# Altium PCB AI Gateway - Carrier.PcbDoc (part 2 of 3) (continued)
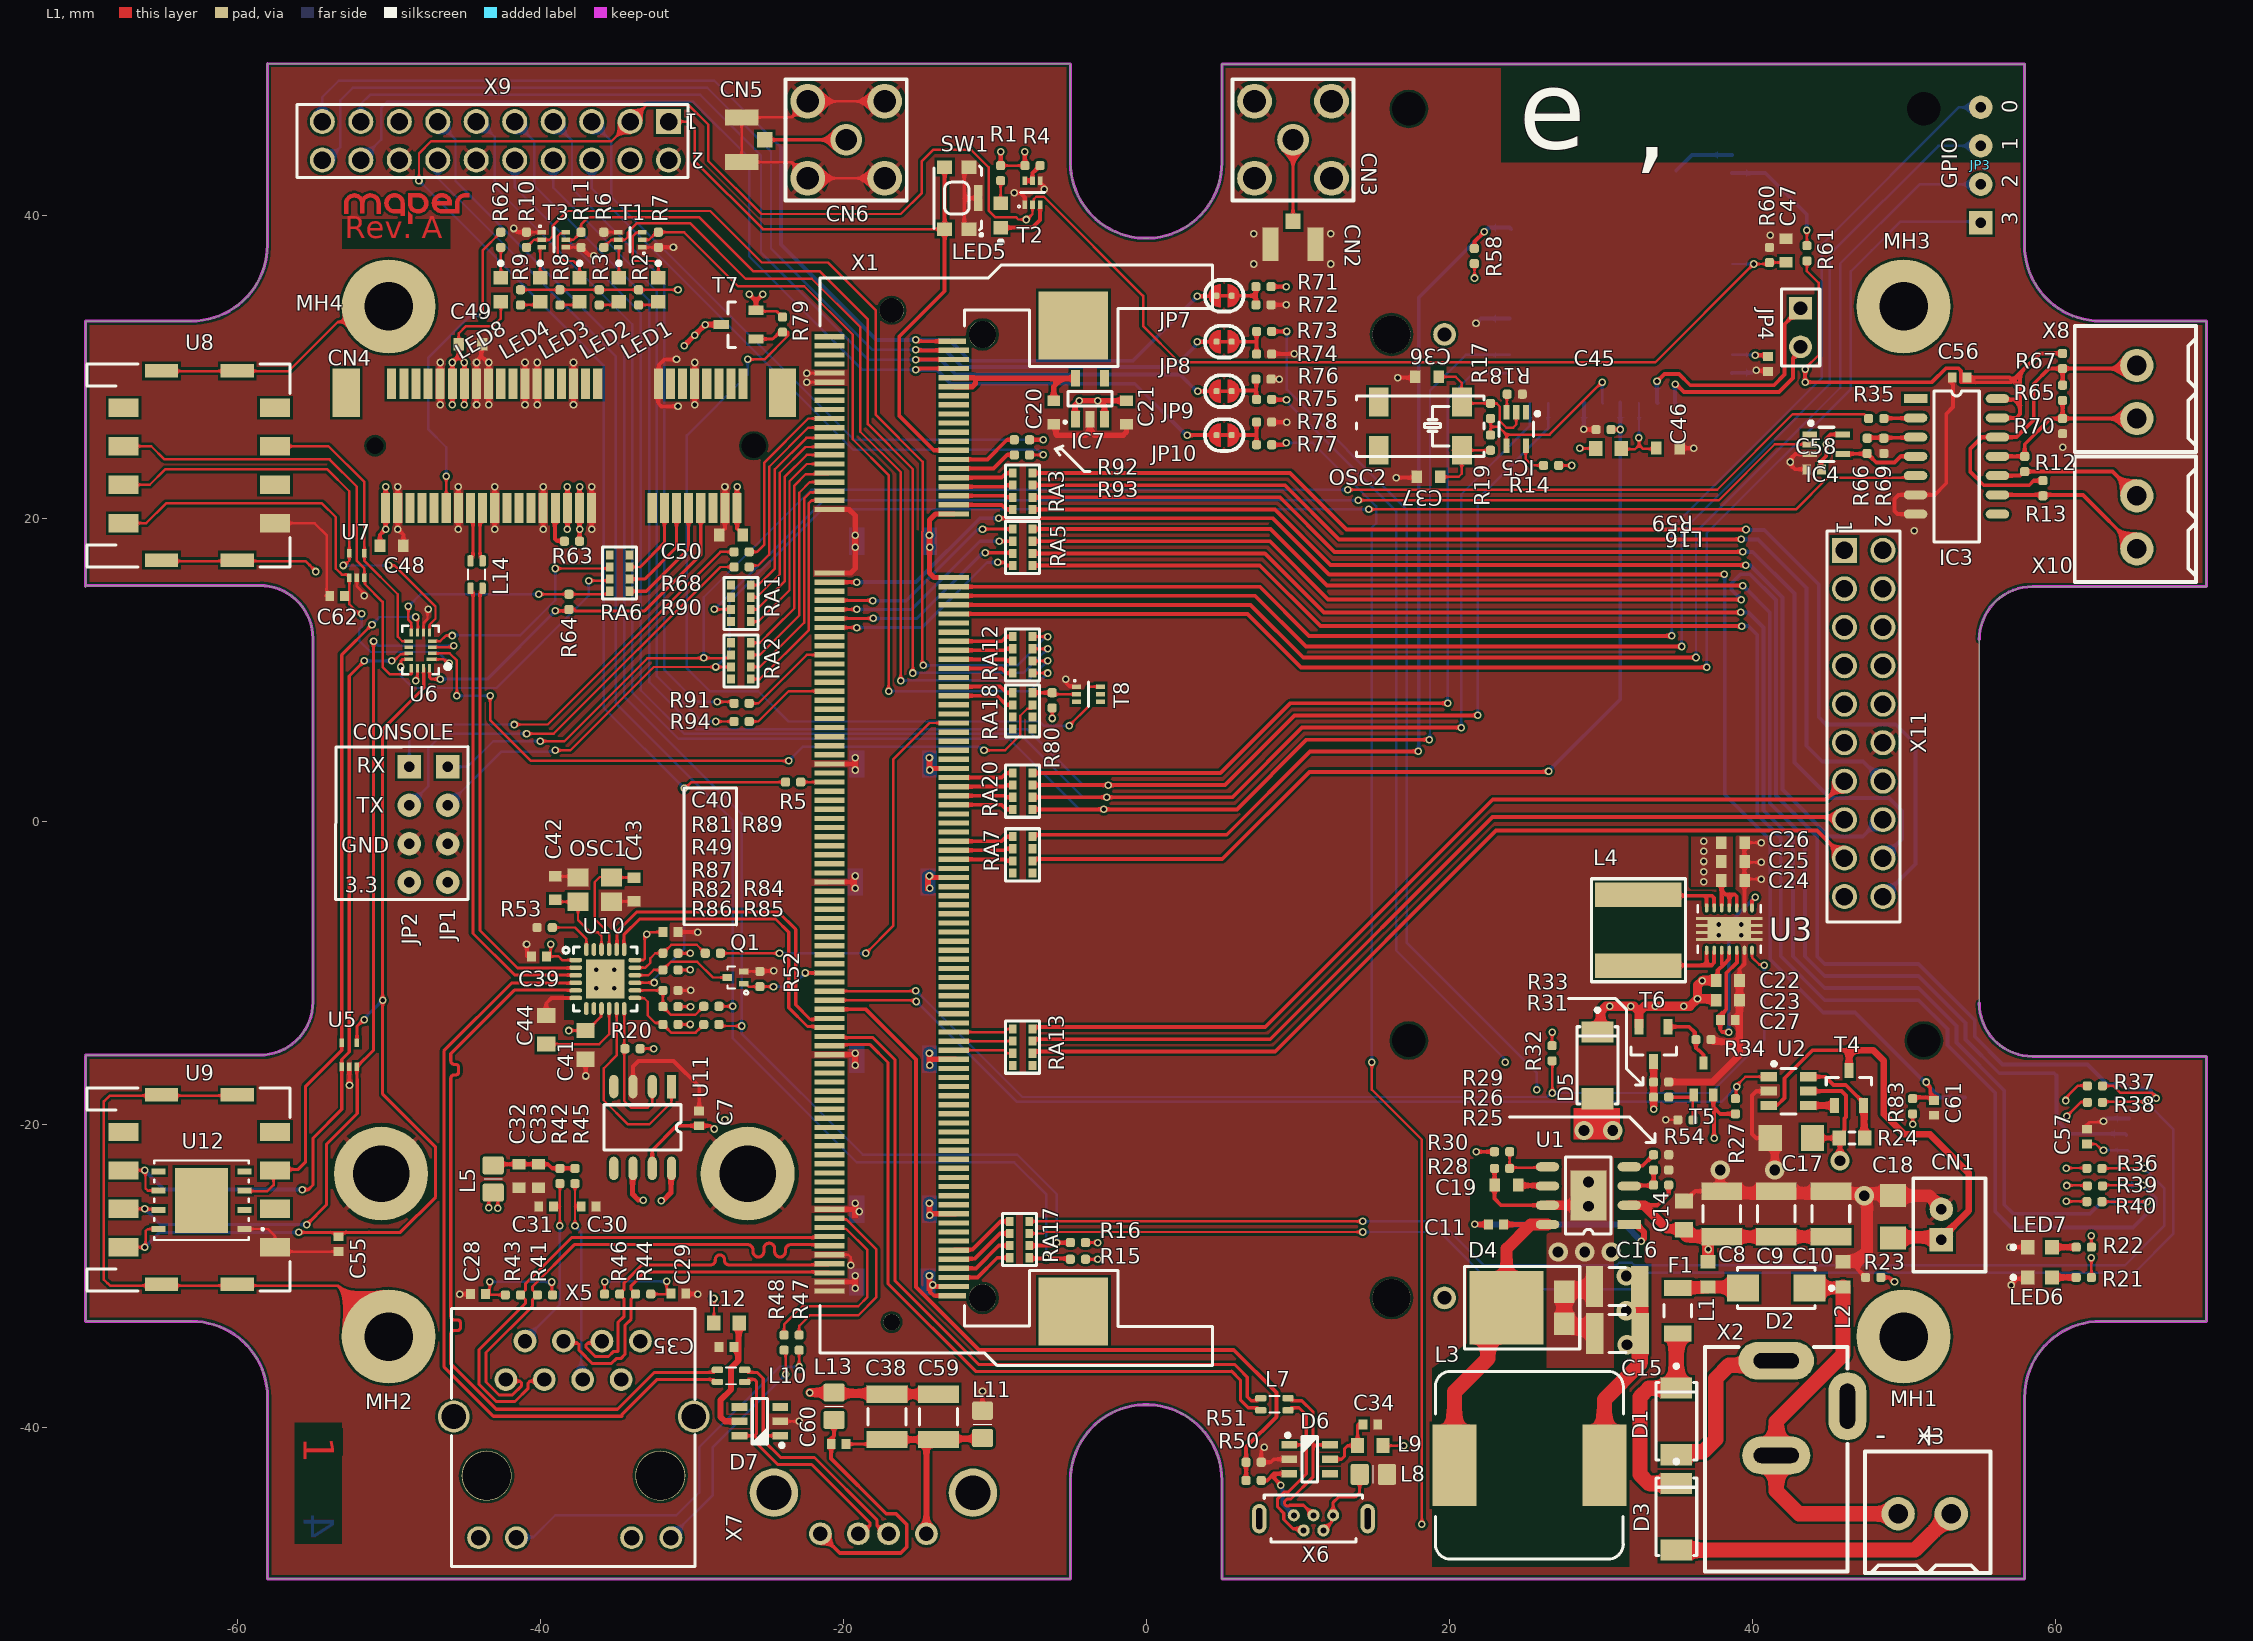
[diagram p0: L1 view]
## Nets (pads, with @x,y where several pads share a name; then routed paths per layer and width w, separated by ;. In a path a pad name is that pad's centre, name@x,y a point inside that pad or via, vN(x,y) a via of type N, cw(c..) or ccw(c..) an arc to the next point about the centre after c; other vN are vias at no path point) (continued)
  L1 w0.254: U1.3@31.9,-24.065 31.932,-24.032 33.468,-24.032 R25.1@33.5,-24 R26.2@33.5,-23
5V_ESD_1: C34.2 D6.5 L9.2 | length 3.9
  L1 w0.206: D6.5@12.15,-42.1 12.9,-42.1 13.1,-41.9 13.1,-41.4 13.3,-41.2 L9.2@13.96,-41.2 13.96,-39.865 C34.2@14.025,-39.8
5V_ESD_2: C35.2 D7.5 L12.2 | length 8.1
  L1 w0.4: L12.2@-26.86,-33.1 -26.892,-33.132 -26.892,-34.667 -26.925,-34.7 -26.925,-35.592 -27.4,-36.067 -27.4,-37.5 -28.1,-38.2 -28.1,-39.3 -27.8,-39.6 D7.5@-26.85,-39.6
ANALOG_IN0: JP10.1 X1.8 X9.18 | length 74.7
  L1 w0.254: v1(-15.2,29.81) -15.11,29.9 X1.8@-12.7,29.9 ; v1(2.707,25.505) JP10.1@4.65,25.505
  L4 w0.16: X9.18@-51.84,43.66 -50.5,45 -50.5,47.1 -50.1,47.5 -42.6,47.5 -29.9,47.5 -26.2,43.8 -26.2,37.3 -18.71,29.81 v1(-15.2,29.81)
  L4 w0.254: v1(-15.2,29.81) -13.81,29.81 -12.9,28.9 -0.75,28.9 v1@2.659,25.491
ANALOG_IN1: JP9.1 X1.6 X9.17 | length 72.4
  L1 w0.254: v1(-15.2,30.47) -15.17,30.5 X1.6@-12.7,30.5 ; v1(3.407,28.405) JP9.1@4.65,28.405 JP9.1@4.577,28.478
  L4 w0.16: X9.17@-51.84,46.2 -51.84,47.36 -51.233,47.967 -29.433,47.967 -25.42,43.953 -25.42,37.553 -18.337,30.47 v1(-15.2,30.47)
  L4 w0.254: v1(-15.2,30.47) -13.537,30.47 -12.567,29.5 2.25,29.5 3.345,28.405 v1(3.407,28.405)
ANALOG_IN2: JP8.1 X1.4 X9.20 | length 77.3
  L1 w0.254: v1(-15.2,31.13) -15.17,31.1 X1.4@-12.7,31.1 ; v1@3.575,31.673 JP8.1@4.65,31.673
  L4 w0.16: X9.20@-54.38,43.66 -54.04,43.66 -53.2,44.5 -53.2,47.6 -52.367,48.433 -28.967,48.433 -24.76,44.227 -24.76,37.827 -18.063,31.13 v1(-15.2,31.13)
  L4 w0.254: v1(-15.2,31.13) -13.263,31.13 -12.133,30 1.85,30 3.257,31.407 3.257,31.488 3.375,31.606 v1(3.375,31.673)
ANALOG_IN3: JP7.1 X1.2 X9.19 | length 76.8
  L1 w0.254: v1(-15.2,31.79) -15.11,31.7 X1.2@-12.7,31.7 ; v1(3.375,34.673) 4.618,34.673 JP7.1@4.65,34.705
  L4 w0.16: X9.19@-54.38,46.2 -54.395,46.215 -54.395,47.805 -53.3,48.9 -28.5,48.9 -24.1,44.5
  L4 w0.254: -24.1,44.5 -24.1,38.1 -17.79,31.79 v1(-15.2,31.79) -12.99,31.79 -11.614,30.414 -0.86,30.414 3.375,34.649 v1(3.375,34.673)
BAT_CHRGn: R27.1 U2.1 X1.135 | length 66.5
  L1 w0.16: X1.135@-20.9,-11.8 -15.23,-11.8 v1@-15.179,-11.851 ; R27.1@38.9,-18.2 R27.1@38.9,-18.3 38.95,-18.25 38.95,-17.55 v1(39,-17.5) 39,-17.408 39.558,-16.85 U2.1@41.1,-16.85
  L1 w0.35: v1(-15.179,-11.884) v1@-15.179,-11.851
  L4 w0.16: v1(-15.179,-11.884) -15.146,-11.884 -8.52,-18.51 37.99,-18.51 v1(39,-17.5)
BOOT: C11.1 U1.1 | length 14.2
  L1 w0.35: v1(21.7,-26.6) C11.1@22.61,-26.6
  L1 w0.4: U1.1@31.9,-26.605 32.375,-26.605 32.875,-27.105 32.875,-27.525 v1(32.7,-27.7)
  L4 w0.4: v1(21.7,-26.6) 31.6,-26.6 v1(32.7,-27.7)
BT_CTS: U4.10
BT_RTS: U4.11
BT_RX: U4.8
BT_TX: U4.9
CFG_SEL: R82.1 R84.1 R87.2 U10.14 | length 6.1
  L1 w0.16: U10.14@-33.75,-11.15 R87.2@-31.9,-11.15 R82.1@-31.9,-12.225 -31.36,-12.765 -29.765,-12.765 R84.1@-29.2,-12.2
CHASSIS_GND: MH1.1 MH2.1 MH3.1 MH4.1 R23.1 U8.G1 U8.G2 U8.G3 U8.G4 U9.G1 U9.G2 U9.G3 U9.G4 X5.8 X5.S1 X5.S2 X6.S1 X6.S2 X7.S1 X7.S2 | length 438.5
  L1 w0.16: -68.58,-30.47 -68.8,-30.25 -68.8,-18.48 -68.58,-18.26 ; -68.56,-30.47 -68.39,-30.64 -53.36,-30.64 MH2.1@-50,-34 ; -68.56,-18.26 -68.4,-18.1 U9.G3@-59.8,-18.1 ; U8.G1@-65.4,17.19 -55.49,17.19 -55,16.7 ; U8.G4@-65,29.73 -56.595,29.73 -53.34,32.985 -51.015,32.985 MH4.1@-50,34
  L1 w0.254: -55,16.7 v1(-54.8,16.5) ; R23.1@48.5,-30.1 49.042,-30.1 49.338,-30.396 v1(49.404,-30.396)
  L1 w0.5: MH1.1@50,-34.82 MH1.1@50,-34
  L3/PWR w0.254: v1(49.404,-30.396) 49.747,-30.738 49.747,-33.747 MH1.1@50,-34
  L3/PWR w1.4: MH2.1@-50.2,-34.923 -50.2,-48.08 -49.38,-48.9 -25.66,-48.9 -24.57,-47.81 ; MH4.1@-50,34 -51.18,34 -55.2,29.98 -55.2,16.9 -53.8,15.5 -53.8,-29.628 -50,-33.428 -50,-34.923 -45.71,-39.213 X5.S2@-45.71,-39.24 ; X5.8@-33.38,-34.3 -29.999,-37.681 -29.999,-39.146 X5.S1@-29.865,-39.28 -28.1,-41.045 ; -28.071,-41.016 -24.778,-44.31 X7.S1@-24.57,-44.31 -24.57,-47.81 ; X6.S2@14.625,-46.547 14.625,-47.075 13.3,-48.4 8.9,-48.4 7.475,-46.975 X6.S1@7.475,-46.02 7.25,-45.795 7.25,-45.745 6.307,-44.802 6.307,-39.407 3.7,-36.8 -3.3,-36.8 -9.91,-43.41 -10.043,-43.41 -10.943,-44.31 X7.S2@-11.43,-44.31 -11.43,-48.08 -12.25,-48.9 -23.48,-48.9 -24.57,-47.81 ; X6.S2@14.625,-46.02 16.905,-48.3 54.8,-48.3 56.2,-46.9 56.2,-40.2 MH1.1@50,-34 51.299,-34 53.589,-31.71 65.49,-31.71 68.6,-28.6 68.6,-18.6 67.15,-17.15 56.35,-17.15 53.6,-14.4 53.6,14.6 56.15,17.15 60.25,17.15 62.7,19.6 62.7,29 58.327,33.373 50.627,33.373 MH3.1@50,34
ETH_AVCC: C32.2 C33.2 L5.1 R42.2 R45.2 | length 5.5
  L1 w0.254: L5.1@-43.1,-22.7 -43.025,-22.625 C32.2@-41.4,-22.625 C33.2@-40.1,-22.625 -39.475,-22.625 -39.2,-22.9 R45.2@-37.7,-22.9
ETH_CT_RX: C30.2 R45.1 X5.5 | length 13.7
  L1 w0.16: v1(-37.7,-26.7) -37.7,-25.4 ; R45.1@-37.7,-23.9 R45.1@-37.7,-24 ; R45.1@-37.6,-23.9 R45.1@-37.7,-24 ; C30.2@-37.29,-25.4 -37.7,-25.4 ; -37.7,-25.4 R45.1@-37.7,-24
  L4 w0.16: v1(-37.7,-26.7) -37.3,-27.1 X5.5@-37.3,-36.835
ETH_CT_TX: C31.2 R42.1 X5.2 | length 12
  L1 w0.16: C31.2@-39.11,-25.4 -38.7,-25.4 ; R42.1@-38.8,-23.9 R42.1@-38.7,-24 ; v1(-38.7,-26.7) -38.7,-25.4 ; R42.1@-38.7,-23.9 R42.1@-38.7,-24 ; -38.7,-25.4 R42.1@-38.7,-24
  L4 w0.16: X5.2@-41.135,-34.32 -38.7,-31.885 v1(-38.7,-26.7)
ETH_LED_LINK: R47.1 X5.10 | length 26.2
  L1 w0.16: v1(-22.9,-36) R47.1@-22.9,-34.9
  L4 w0.16: X5.10@-41.575,-47.24 -40.44,-47.24 -39,-45.8 -31,-45.8 -29.5,-44.3 -29.5,-41.3 -24.2,-36 v1(-22.9,-36)
ETH_LED_SPEED: R48.1 X5.12 | length 15.5
  L1 w0.16: R48.1@-23.9,-34.9 -23.8,-35 v1(-23.8,-36.5)
  L4 w0.16: X5.12@-31.375,-47.24 -28.6,-44.465 -28.6,-41.3 v1(-23.8,-36.5)
ETH_LINK_ACT: R47.2 X1.183 | length 13.6
  L1 w0.16: R47.2@-22.9,-33.9 -22.9,-33.3 -22.2,-32.6 -19,-32.6 -17.8,-31.4 -17.8,-28.244 -19.775,-26.269 -20.831,-26.269 X1.183@-20.9,-26.2
ETH_RXI_N: R46.1 X1.193 X5.6 | length 23.6
  L1 w0.206: X5.6@-36.096,-34.426 -36.85,-34.426 -36.97,-34.546 -36.97,-34.717 -36.368,-35.319 -35.492,-35.319 -35.173,-35 -34.87,-35 -34.87,-33.078 -34.455,-32.662 -34.455,-31.518 -34.75,-31.222 R46.1@-34.75,-31.2 -34.75,-31.178 -34.455,-30.882 -34.455,-30.447 -33.278,-29.27 -28.847,-29.27 -28.744,-29.27 ccw(c-28.744,-28.967) -28.441,-28.967 -28.441,-28.918 cw(c-28.138,-28.918) -28.138,-28.615 cw(c-28.138,-28.918) -27.835,-28.918 -27.835,-28.967 ccw(c-27.532,-28.967) -27.532,-29.27 -26.719,-29.27 -23.7,-29.27 -20.97,-29.27 X1.193@-20.9,-29.2 ; X5.6@-35.961,-34.406 X5.6@-35.795,-34.24
ETH_RXI_P: R44.2 X1.195 X5.4 | length 23.6
  L1 w0.206: X5.4@-38.47,-34.26 -38.304,-34.426 -37.55,-34.426 -37.43,-34.546 -37.43,-34.907 -36.559,-35.778 -35.301,-35.778 -34.983,-35.46 -34.68,-35.46 -34.411,-35.19 -34.411,-33.268 -33.995,-32.853 -33.995,-31.518 -33.7,-31.222 R44.2@-33.7,-31.2 -33.7,-31.178 -33.995,-30.882 -33.995,-30.637 -33.088,-29.73 -23.89,-29.73 -20.97,-29.73 X1.195@-20.9,-29.8
ETH_SPEED: R48.2 X1.185 | length 13.2
  L1 w0.16: R48.2@-23.9,-33.9 -23.9,-33.2 -22.7,-32 -19,-32 -18.4,-31.4 -18.4,-28.293 -19.793,-26.9 -19.886,-26.9 -19.891,-26.895 -20.805,-26.895 X1.185@-20.9,-26.8
ETH_TX0_N: R43.1 X1.187 X5.3 | length 35.1
  L1 w0.206: R43.1@-41.3,-31.25 R43.1@-41.285,-31.25 ; X5.3@-39.889,-36.949 -40.676,-36.949 -40.797,-37.07 -40.797,-37.417 -41.665,-38.285 -42.898,-38.285 -44.035,-37.148 -44.035,-34.868 -40.967,-31.801 -40.967,-31.568 R43.1@-41.285,-31.25 ; X5.3@-39.754,-36.929 X5.3@-39.605,-36.78 ; X1.187@-20.9,-27.4 -20.97,-27.47 -32.6,-27.47 -37.594,-27.47 -37.929,-27.47 -40.967,-30.508 -40.967,-30.932 R43.1@-41.285,-31.25
ETH_TX0_P: R41.2 X1.189 X5.1 | length 35.2
  L1 w0.206: X5.1@-42.38,-36.8 X5.1@-42.231,-36.949 ; X5.1@-42.131,-36.949 -41.344,-36.949 -41.223,-37.07 -41.223,-37.24 -41.842,-37.859 -42.722,-37.859 -43.575,-37.005 -43.575,-35.059 -40.508,-31.992 -40.508,-31.568 R41.2@-40.19,-31.25 ; R41.2@-40.175,-31.25 R41.2@-40.19,-31.25 ; X1.189@-20.9,-28 -20.97,-27.93 -22.8,-27.93 -23.452,-27.93 ccw(c-23.452,-28.287) -23.808,-28.287 -23.808,-28.392 cw(c-24.165,-28.392) -24.165,-28.749 cw(c-24.165,-28.392) -24.522,-28.392 -24.522,-28.193 ccw(c-24.879,-28.193) -24.879,-27.836 ccw(c-24.879,-28.193) -25.236,-28.193 -25.236,-28.392 cw(c-25.593,-28.392) -25.593,-28.749 cw(c-25.593,-28.392) -25.949,-28.392 -25.949,-28.287 ccw(c-26.306,-28.287) -26.306,-27.93 -27.123,-27.93 -37.739,-27.93 -40.508,-30.699 -40.508,-30.932 R41.2@-40.19,-31.25
FB: R28.1 R30.1 U1.5 | length 3.6
  L1 w0.16: R30.1@24,-21.8 R28.1@24,-22.9 24.052,-22.847 24.5,-22.847 26.448,-22.847 U1.5@26.5,-22.795
GND: C1.1 C2.1 C3.1 C4.1 C5.1 C6.1 C7.1 C8.1 C9.1 C10.1 C14.1 C15.1 C16.1 C17.1 C18.1 C19.1 C20.1 C21.1 C22.1 C23.1 C24.1 C25.1 C26.1 C27.1 C28.2 C29.2 C30.1 C31.1 C32.1 C33.1 C34.1 C35.1 C36.1 C37.1 C39.1 C40.1 C41.1 C42.1 C43.1 C44.1 C45.1 C46.1 C47.1 C48.2 C49.2 C50.2 C55.2 C56.2 C57.1 C58.1 C61.1 C62.2 CN1.2 CN2.2 CN2.3 CN3.1 CN3.2 CN3.3 CN3.4 CN4.4 CN4.9 CN4.15 CN4.18 CN4.21 CN4.26 CN4.27 CN4.29 CN4.34 CN4.35 CN4.37 CN4.40 CN4.43 CN4.50 CN4.S1 CN4.S2 CN5.2 CN5.3 CN6.1 CN6.2 CN6.3 CN6.4 D4.A1 D4.A2 D6.2 D7.2 IC3.6 IC3.7 IC4.3 IC7.2 JP1.3 JP2.3 L2.1 L8.1 L11.2 LED6.1 LED7.1 OSC1.2 OSC1.4 Q1.2 R6.2 R7.2 R10.2 R11.2 R18.1 R23.2 R26.1 R28.2 R29.1 R33.1 R34.1 R51.2 R52.2 R53.2 R54.1 R59.1 R60.1 R69.1 R70.1 R72.2 R74.2 R76.2 R78.1 R86.1 R87.1 SW1.1 SW1.3 SW1.5 T1.1 T1.4 T2.1 T2.4 T3.1 T3.4 T8.1 U1.0 U1.7 U2.2 U3.0 U3.2 U3.13 U4.1 U4.13 U4.21 U4.28 U4.36 U4.37 U5.2 U6.6 U7.2 U8.5 U9.5 U10.0 U10.6 U11.3 U12.1 X1.9 X1.11 X1.39 X1.41 X1.83 X1.109 X1.147 X1.181 X1.191 X1.197 X1.199 X4.6 X4.MH1 X4.MH2 X4.S2 X9.2 X9.12 X9.16 X11.12 | length 271.5
  L1 w0.16: U12.1@-59.249,-26.9 -57.971,-26.9 -57.507,-27.364 -57.507,-28.103 U9.5@-57.5,-28.11 -57.22,-28.39 C55.2@-53.3,-28.39 ; U8.5@-57.5,19.69 -54.89,19.69 -54.1,18.9 -54.1,14.975 C62.2@-54.175,14.9 ; U7.2@-52.1,16.1 -52.1,15.51 -51.6,15.01 v1(-51.6,14.905) ; U6.6@-47.7,12.475 -47.7,13.1 -47.436,13.364 -47.436,13.964 v1(-47.4,14) ; R10.2@-40.9,38.9 T3.1@-39.89,38.9 ; C42.1@-39,-3.625 -37.575,-3.625 OSC1.2@-37.5,-3.7 ; T3.4@-38.31,37.9 R11.2@-37.3,37.9 ; R6.2@-35.8,38.9 T1.4@-34.851,38.9 ; OSC1.4@-35.3,-5.3 -35.275,-5.275 C43.1@-33.8,-5.275 ; T1.1@-33.271,37.9 R7.2@-32.325,37.9 ; R86.1@-30.9,-13.4 v1(-30.1,-13.4) ; R87.1@-30.9,-11.15 v1(-30.05,-11.15) ; Q1.2@-26.556,-9.9 R52.2@-25.5,-9.9 ; D7.2@-24.15,-39.6 v1(-22.9,-39.6) ; v1(-22.4,29) X1.11@-20.9,29 ; v1(-22.4,29.6) X1.9@-20.9,29.6 ; X1.191@-20.9,-28.6 -19.66,-28.6 -19.49,-28.77 v1(-19.49,-29.297) ; CN6.2@-17.26,42.46 CN6.3@-22.34,42.46 -23.405,43.525 CN5.3@-26.7,43.525 CN5.2@-26.7,46.475 -23.405,46.475 CN6.4@-22.34,47.54 CN6.1@-17.26,47.54 ; v1(34.3,-19.7) R54.1@35.1,-19.7 ; C24.1@39.51,-3.899 39.609,-3.8 v1(40.6,-3.8) ; C25.1@39.51,-2.65 39.56,-2.7 v1(40.6,-2.7) ; C26.1@39.51,-1.4 v1(40.6,-1.4) ; C57.1@62.1,-20.288 62.1,-20.025 62.278,-19.847 63.153,-19.847 v1(63.2,-19.8)
  L1 w0.254: U5.2@-52.6,-16.2 -52.6,-17.387 v1(-52.587,-17.4) ; v1(-49.4,22.1) CN4.50@-49.4,20.7 v1(-49.4,19.3) -49.025,18.925 C48.2@-49.025,18.2 ; v1(-46.6,27.5) CN4.43@-46.6,28.9 v1(-46.6,30.3) ; v1(-45.4,19.3) CN4.40@-45.4,20.7 v1(-45.4,22.1) ; v1(-45.3,-31.2) C28.2@-44.59,-31.2 ; v1(-44.2,27.5) CN4.37@-44.2,28.9 v1(-44.2,30.3) -44.2,30.367 -43.873,30.694 ; C49.2@-43.825,31.5 -43.873,31.452 -43.873,30.694 ; v1(-43.4,27.5) CN4.35@-43.4,28.9 v1(-43.4,30.3) -43.467,30.3 -43.861,30.694 -43.873,30.694 ; v1(-43,19.3) CN4.34@-43,20.7 v1(-43,22.1) ; v1(-41.754,39.146) -41.738,39.146 -41.491,38.9 R10.2@-40.9,38.9 ; v1(-41,27.5) CN4.29@-41,28.9 v1(-41,30.3) ; v1(-40.9,-8.1) -40.875,-8.125 -40.875,-8.875 C39.1@-40.85,-8.9 ; v1(-40.2,27.5) CN4.27@-40.2,28.9 v1(-40.2,30.3) ; v1(-39.8,19.3) CN4.26@-39.8,20.7 v1(-39.8,22.1) ; C44.1@-39.6,-12.8 -39.6,-12 -39.25,-11.65 U10.6@-37.65,-11.65 ; v1(-37.8,27.5) CN4.21@-37.8,28.9 v1(-37.8,30.3) ; R11.2@-37.3,37.9 -36.786,37.386 -36.493,37.386 v1(-36.454,37.346) ; v1(-37,-16.8) C41.1@-37,-15.7 ; v1(-36.6,19.3) CN4.18@-36.6,20.7 v1(-36.6,22.1) ; U11.3@-33.87,-17.5 -33.87,-16.17 -33.5,-15.8 -31.2,-15.8 -29.5,-17.5 C7.1@-29.5,-19.225 ; CN4.15@-32.207,28.909 -32.207,27.607 -32,27.4 v1(-30.9,27.4) ; CN4.15@-32.2,28.9 -32.168,28.932 -32.168,30.132 -31.8,30.5 v1(-31,30.5) ; R7.2@-32.2,37.9 v1(-31.2,37.9) ; C40.1@-30.625,-7.3 v1(-29.6,-7.3) ; C29.2@-30.385,-31.175 -30.373,-31.187 -29.613,-31.187 v1(-29.6,-31.2) ; v1(-29.8,27.5) CN4.9@-29.8,28.9 v1(-29.8,30.3) ; C50.2@-28.175,18.9 -28.175,18.975 -27.952,19.198 -27.949,19.198 -27.8,19.347 CN4.4@-27.8,20.7 v1(-27.8,22.1) ; R52.2@-25.5,-9.9 -25.47,-9.87 -24.616,-9.87 v1(-24.586,-9.84) ; SW1.1@-11.7,39.1 -12,39.4 -12,41.15 ; SW1.3@-11.7,43.2 -12,42.9 -12,41.15 ; SW1.5@-11.07,41.15 -12,41.15 ; L11.2@-10.8,-38.9 v1(-10.8,-37.6) ; v1(-8.7,41.5) -8.3,41.5 -8,41.2 T2.1@-8,40.72 ; T2.4@-7,42.3 -7,42.165 -6.757,41.922 -6.757,41.78 v1(-6.71,41.733) ; v1(-5.3,9.4) -5.253,9.353 -5.253,9.126 -5.05,8.923 -4.613,8.923 T8.1@-4.59,8.9 ; v1(7.8,-41.3) 7.8,-41.367 7.6,-41.567 R51.2@7.6,-42.3 8.232,-42.3 8.432,-42.1 D6.2@9.45,-42.1 ; R76.2@8.25,29.205 v1(8.802,29.205) ; R72.2@8.25,34.105 v1(9.25,34.105) ; R78.1@8.292,26.364 v1(9.292,26.364) ; R74.2@8.292,30.851 8.311,30.871 9.762,30.871 v1(9.782,30.89) ; v1(16.5,22.7) 17.805,22.7 C37.1@17.86,22.755 ; v1(16.6,29.3) 17.705,29.3 C36.1@17.76,29.355 C36.1@17.785,29.355 ; R28.2@23,-22.9 23,-24.9 23.435,-25.335 U1.7@26.5,-25.335 ; v1(28.9,25.9) 28.925,25.875 R59.1@29.7,25.875 ; C45.1@35.225,24.65 v1(36.15,24.65) ; C14.1@35.5,-25.05 35.6,-25.05 36.247,-24.403 C8.1@38,-24.403 ; C22.1@39.175,-10.5 39.175,-9.725 39.5,-9.4 U3.13@39.5,-8.6 ; U3.2@39.5,-5.58 39.5,-3.909 C24.1@39.51,-3.899 ; C24.1@39.5,-3.899 39.5,-1.41 C26.1@39.51,-1.4 ; v1(40.276,29.796) 40.319,29.753 40.985,29.753 C46.1@41.05,29.688 ; U2.2@41.1,-17.8 40.3,-17.8 40,-18.1 40,-20.637 40.263,-20.9 41.197,-20.9 C17.1@41.2,-20.903 ; C58.1@43.61,23.25 42.825,23.25 42.525,23.55 v1(42.525,23.73) 42.525,23.91 42.865,24.25 IC4.3@43.8,24.25 ; 46.975,-29.025 46.975,-29.575 R23.2@47.5,-30.1 ; IC3.7@50.8,20.29 49.61,20.29 49.4,20.5 49.4,21.3 49.66,21.56 IC3.6@50.8,21.56 52.06,21.56 52.825,22.325 52.825,26.9 53.275,27.35 53.275,28.854 53.047,29.082 53.047,29.225 C56.2@53.275,29.225 ; v1(57,-28.1) LED7.1@58.2,-28.1 ; v1(57.1,-30.6) 57.518,-30.182 58.118,-30.182 LED6.1@58.2,-30.1
  L1 w0.35: X1.109@-20.9,-4 -19.325,-4 -19.3,-4.025 -19.3,-4.1 ; X1.197@-20.8,-30.4 -19.225,-30.4 -19.2,-30.425 -19.2,-30.5 ; X1.181@-20.8,-25.6 -19.225,-25.6 -19.2,-25.625 -19.2,-25.7 ; X1.147@-20.8,-15.4 -19.225,-15.4 -19.2,-15.425 -19.2,-15.8 ; X1.83@-20.8,3.8 -19.225,3.8 -19.2,3.775 -19.2,3.7 ; X1.41@-20.8,16.4 -19.5,16.4 -19.2,16.7 v1(-19.2,18.1) v1(-19.2,18.9) -19.2,20.2 -19.6,20.6 X1.39@-20.8,20.6 ; C20.1@-6.1,26.225 -5.951,26.076 -5.951,25.556 -5.895,25.5 -4,25.5 -3.7,25.8 ; IC7.2@-3.7,26.55 -3.7,25.8 ; C21.1@-1.3,26.225 -1.3,25.705 -1.505,25.5 -3.4,25.5 -3.7,25.8
  L1 w0.45: R33.1@34.5,-17.2 37.4,-17.2 39.175,-15.425 39.175,-14.3 ; R34.1@37.3,-14.4 37.435,-14.535 38.94,-14.535 39.175,-14.3 ; C22.1@39.175,-10.5 C23.1@39.175,-11.8 39.175,-14.3
  L1 w0.5: SW1.5@-11.07,41.15 SW1.5@-11.045,41.175 ; v2(37.9,-23) 37.9,-24.303 C8.1@38,-24.403 ; C17.1@41.2,-20.903 41.5,-21.203 v2(41.5,-23)
  L1 w0.6: U1.7@26.5,-25.335 28.565,-25.335 U1.0@29.2,-24.7
  L1 w0.8: C8.1@38,-24.403 38.15,-24.553 v2@47.053,-24.553 ; L2.1@46,-29.06 46.035,-29.025 46.975,-29.025 47.6,-28.4 47.6,-25.1 v2@47.053,-24.553 ; CN1.2@52.6,-25.4 52.397,-25.4 51.7,-24.703 C18.1@49.3,-24.703 49.15,-24.553 v2@47.053,-24.553
  L1 w1: C15.1@29.6,-30.7 29.6,-30.793 29.525,-30.867 27.772,-30.867 D4.A1@27.605,-31.035 D4.A2@27.605,-33.165 27.605,-33.24 27.78,-33.415 29.55,-33.415 29.625,-33.49 C16.1@29.625,-33.8
  L4 w0.16: X9.12@-44.22,43.66 X9.12@-44.22,43.78
  L4 w0.254: v1(21.779,32.879) 22.1,33.2 U4.28@24,33.2 ; v1(28.9,25.9) 28.9,27.58 U4.21@28.94,27.62 ; 35,42.975 36.025,44 U4.1@38.68,44 ; U4.13@38.68,29.6 38.705,29.625 39.988,29.625 40.2,29.837 v1@40.25,29.837 ; v1(63.2,-19.8) 63.267,-19.8 63.467,-19.6 X4.6@64.9,-19.6
  other v1: -19.2,-30.8 -19.2,-30 -18.946,-25.746 -19.2,-25.2 -19.2,-16.1 -19.2,-15.3 -36.3,-11 -35.1,-11 -36.3,-9.8 -35.1,-9.8 37.8,-7.5 39.3,-7.5 37.8,-6.8 39.3,-6.8 -19.2,-4.4 -19.2,-3.6 -19.2,3.4 -19.2,4.2 50.7,19.2 60.5,24.7 7.1,36.8 12.2,36.8 41.2,38.7 7.1,38.8 12.2,38.8
  other v2: 27.2,-28.425 28.95,-28.425 30.7,-28.425 29.2,-25.4 47.402,-24.705 29.2,-23.8
GND_IN: D2.1 L2.2 X2.2 X3.1 | length 26
  L1 w0.8: D2.1@43.8,-30.8 L2.2@45.875,-30.8
  L1 w1: L2.2@46,-30.74 46,-35.199 41.6,-39.599 41.6,-44.2 43.1,-45.7 X3.1@49.65,-45.7
GND_USB1: L8.2 X6.4 X6.5 | length 5.3
  L1 w0.206: X6.4@11.7,-46.8 12.236,-46.264 12.236,-45.914 X6.5@12.35,-45.8 12.35,-44.95 12.7,-44.6 13.8,-44.6 14.1,-44.3 L8.2@14.1,-43.1
GND_USB2: C38.1 C59.1 C60.1 L11.1 X7.4 | length 18.2
  L1 w0.206: C60.1@-19.525,-41.1 -17.4,-41.1 C38.1@-17.1,-40.8 C59.1@-14.125,-40.8
  L1 w0.4: C38.1@-17.1,-40.8 C59.1@-13.7,-40.8 -13.65,-40.75 -10.85,-40.75 L11.1@-10.8,-40.7 ; X7.4@-14.5,-47.02 -14.5,-41.175 C59.1@-14.125,-40.8
GPIO0: JP3.4 X1.44 | length 92.9
  L1 w0.254: X1.44@-12.7,15.5 7.5,15.5 10.75,12.25 v1(34.7,12.25)
  L4 w0.16: v1(34.7,12.25) 34.7,19.375 44.6,29.275 44.6,38.1 53.64,47.14 JP3.4@55.1,47.14
GPIO1: JP3.3 X1.46 | length 92.3
  L1 w0.254: X1.46@-12.7,14.9 7.2,14.9 10.549,11.551 v1(35.35,11.55) v1(35.35,11.55)
  L4 w0.16: v1(35.35,11.55) 35.35,19.092 41.055,24.796 45.125,28.867 45.125,30.467 45.125,37.425 52.3,44.6 JP3.3@55.1,44.6
GPIO2: JP3.2 X1.48 | length 91.8
  L1 w0.254: X1.48@-12.7,14.3 6.9,14.3 10.375,10.825 v1(36.3,10.825)
  L4 w0.16: v1(36.3,10.825) 36.3,19.108 41.521,24.33 45.825,28.633 45.825,30.233 45.825,36.825 51.06,42.06 JP3.2@55.1,42.06
GPIO3: JP3.1 X1.50 | length 91.2
  L1 w0.254: X1.50@-12.7,13.7 6.7,13.7 10.225,10.175 v1(37,10.175)
  L4 w0.16: v1(37,10.175) 37,19.025 46.525,28.55 46.525,36.325 47.9,37.7 49.8,39.6 55.02,39.6 JP3.1@55.1,39.52
HUB_SUSP: R89.2 X1.74 | length 28.1
  L1 w0.16: R89.2@-28.1,-8.7 v1(-24.2,-8.7) ; v1(-18.5,-8.7) -16.7,-6.9 -16.7,4.1 -14.3,6.5 X1.74@-12.7,6.5
  L4 w0.16: v1(-24.2,-8.7) v1(-18.5,-8.7)
I2C_SCL: R15.1 R84.2 RA17.8 X9.14 | length 98.9
  L1 w0.16: R84.2@-28.2,-12.2 -28.1,-12.1 -28,-12.2 v1(-27.3,-12.2)
  L1 w0.254: RA17.8@-7.7,-28.8 -7.65,-28.85 -5.05,-28.85 R15.1@-5,-28.9
  L4 w0.16: X9.14@-46.76,43.66 -46.76,42.46 -35,30.7 -35,7.8 -27.3,0.1 v1(-27.3,-12.2) -27.3,-14.3 -19.1,-22.5 -8.7,-22.5 -6.6,-24.6 v1(-6.6,-28.8)
I2C_SCL_S: RA17.4 X1.196 | length 4.2
  L1 w0.254: X1.196@-12.7,-30.1 -11.125,-30.1 -9.825,-28.8 RA17.4@-9,-28.8
I2C_SDA: R16.1 R85.2 RA17.7 X9.13 | length 101.2
  L1 w0.16: R85.2@-28.2,-13.4 -28.1,-13.5 v1(-26.7,-13.5)
  L1 w0.254: RA17.7@-7.7,-28 -6.167,-28 -5.967,-27.8 R16.1@-5,-27.8
  L4 w0.16: X9.13@-46.76,46.2 -45.587,45.027 -45.587,42.287 -34.46,31.16 -34.46,8.26 -26.7,0.5 v1(-26.7,-13.5) -26.7,-14 -18.7,-22 -8.5,-22 -5.9,-24.6 v1(-5.9,-27.8)
I2C_SDA_S: RA17.3 X1.194 | length 4.3
  L1 w0.254: X1.194@-12.7,-29.5 -11.225,-29.5 -9.725,-28 RA17.3@-9,-28
LED1: R6.1 RA12.2 T1.5 | length 56.3
  L1 w0.16: R6.1@-35.8,37.9 -35.3,38.4 T1.5@-34.851,38.4 -34.4,38.4 -34.22,38.58 -34.22,38.88 -33.6,39.5 -30.11,39.5 -26.441,35.831 -22.069,35.831 -18.869,32.631 -18.869,25.731 -16.2,23.061 v1(-16.2,9.3) ; RA12.2@-7.5,10.6 v1(-6.5,10.6)
  L4 w0.16: v1(-16.2,9.3) -16.19,9.31 -7.79,9.31 v1(-6.5,10.6)
LED1_S: RA12.7 X1.58 | length 3.8
  L1 w0.254: X1.58@-12.6,11.3 -9.325,11.3 -9.225,11.4 RA12.7@-8.8,11.4
LED2: R7.1 RA12.1 T1.2 | length 53.4
  L1 w0.16: T1.2@-33.271,38.4 -32.825,38.4 -32.325,38.9 -31.61,38.9 -30.5,38.9 -26.936,35.336 -22.564,35.336 -19.364,32.136 -19.364,25.236 -17,22.871 v1(-17,8.6) ; RA12.1@-7.5,9.8 v1(-6.5,9.8)
  L4 w0.16: v1(-17,8.6) -7.7,8.6 v1(-6.5,9.8)
LED2_S: RA12.8 X1.56 | length 3.9
  L1 w0.254: X1.56@-12.6,11.9 -9.525,11.9 -9.225,12.2 RA12.8@-8.8,12.2
LED3: R10.1 RA12.4 T3.2 | length 62.1
  L1 w0.16: R10.1@-41,37.8 R10.1@-40.9,37.9 -40.4,38.4 T3.2@-39.89,38.4 -39.4,38.4 -39.155,38.645 -39.155,39.345 -38.2,40.3 -28.771,40.3 -25.371,36.9 -21,36.9 -17.84,33.74 -17.84,26.84 -14.749,23.749 -14.749,19.144 -14.79,19.103 -14.79,10.39 v1(-14.7,10.3) ; RA12.4@-7.5,12.2 v1(-6.5,12.2)
  L4 w0.16: v1(-14.7,10.3) -8.5,10.3 -6.736,12.064 -6.728,12.064 -6.592,12.2 v1(-6.5,12.2)
LED3_S: RA12.5 X1.62 | length 3.9
  L1 w0.254: X1.62@-12.6,10.1 -9.525,10.1 -9.225,9.8 RA12.5@-8.8,9.8
LED4: R11.1 RA12.3 T3.5 | length 58.8
  L1 w0.16: T3.5@-38.31,38.4 -37.8,38.4 R11.1@-37.3,38.9 -37.3,39.4 -36.8,39.9 -29.51,39.9 -25.941,36.331 -21.569,36.331 -18.369,33.131 -18.369,26.231 -15.4,23.261 v1(-15.4,9.8) ; RA12.3@-7.5,11.4 v1(-6.5,11.4)
  L4 w0.16: v1(-15.4,9.8) -15.39,9.81 -8.09,9.81 v1(-6.5,11.4)
LED4_S: RA12.6 X1.60 | length 3.8
  L1 w0.254: X1.60@-12.6,10.7 -9.325,10.7 -9.225,10.6 RA12.6@-8.8,10.6
MM_CD: C61.2 R83.2 X1.43 X4.G1 | length 108.3
  L1 w0.254: X1.43@-20.9,15.8 v1(-19.1,15.8) ; v1(-9.713,20.013) 8.372,20.013 12.085,16.3 v1@38.185,16.3 ; R83.2@50.6,-18.3 50.688,-18.213 51.912,-18.213 52,-18.125 51.983,-18.125 51.76,-17.902 51.76,-17.56 51.547,-17.347 51.547,-17.247 v1(51.5,-17.2)
  L4 w0.254: v1(-19.1,15.8) -15.194,15.8 -10.981,20.013 v1(-9.713,20.013) ; v1(38.175,16.325) 38.2,16.35 38.2,1.775 41.2,-1.225 41.2,-9.1 44.7,-12.6 46.8,-12.6 52.41,-18.21 X4.G1@54.05,-18.21
MM_CLK: RA5.4 X4.5 | length 103.1
  L1 w0.254: RA5.4@-7.5,19.3 8.206,19.3 11.931,15.575 v1(39.4,15.575)
  L4 w0.254: v1(39.4,15.575) 41.172,13.803 41.172,1.228 43.5,-1.1 43.5,-8.9 44.8,-10.2 51,-10.2 54.1,-13.3 54.1,-14.4 56.323,-16.623 59.951,-16.623 60.1,-16.772 60.1,-19.7 61.018,-20.618 64.618,-20.618 X4.5@64.7,-20.7
MM_CLK_S: RA5.8 X1.47 | length 14.1
  L1 w0.206: X1.47@-20.9,14.6 -18.075,14.6 v1(-18.05,14.575) ; v1(-10.8,19.3) RA5.8@-8.8,19.3
  L4 w0.206: v1(-18.05,14.575) -15.825,14.575 -11.139,19.261 -10.839,19.261 v1(-10.8,19.3)
MM_CMD: R36.1 RA17.5 X4.3 | length 85.7
  L1 w0.16: RA17.5@-7.7,-26.4 v1(14.3,-26.4) ; R36.1@63.1,-22.9 v1(65.9,-22.9)
  L4 w0.16: v1(14.3,-26.4) 19.4,-26.4 22.3,-29.3 31.062,-29.3 31.237,-29.125 32.062,-29.125 32.237,-29.3 64.6,-29.3 67.2,-26.7 67.2,-24.2 v1(65.9,-22.9) X4.3@64.7,-22.9
MM_CMD_S: RA17.1 X1.190 | length 4.5
  L1 w0.254: X1.190@-12.7,-28.3 -12.652,-28.252 -11.452,-28.252 -9.6,-26.4 RA17.1@-9,-26.4
MM_DAT_0: R38.1 RA17.6 X4.7 | length 92.3
  L1 w0.16: RA17.6@-7.7,-27.2 -6.793,-27.2 -6.693,-27.1 v1(14.3,-27.1) ; R38.1@63.134,-18.55 63.184,-18.5 v1(66,-18.5)
  L4 w0.16: v1(14.3,-27.1) 19.4,-27.1 23.175,-30.875 32.062,-30.875 33.147,-29.79 65.241,-29.79 67.8,-27.231 67.8,-20.3 v1(66,-18.5) X4.7@64.7,-18.5
MM_DAT_0_S: RA17.2 X1.192 | length 4.4
  L1 w0.254: X1.192@-12.7,-28.9 -12.67,-28.87 -11.319,-28.87 -9.649,-27.2 RA17.2@-9,-27.2
MM_DAT_1: R37.1 RA5.3 X4.8 | length 109.2
  L1 w0.16: R37.1@63.134,-17.45 63.85,-17.45 64.3,-17.9 66.401,-17.9 66.549,-18.049 66.549,-18.07 66.672,-18.193 v1(66.672,-18.26)
  L1 w0.254: RA5.3@-7.5,18.5 8.169,18.5 12.019,14.65 v1(39.3,14.65)
  L4 w0.254: v1(39.3,14.65) 38.65,15.3 38.65,15.728 39.247,16.325 39.875,16.325 41.586,14.614 41.586,1.714 44.3,-1 44.3,-8.9 44.8,-9.4 51,-9.4 54.7,-13.1 54.7,-14.2 56.537,-16.037 62.137,-16.037 63.5,-17.4 X4.8@64.7,-17.4 64.917,-17.617 66.15,-17.617 66.333,-17.8 66.333,-17.854 66.672,-18.193 v1(66.672,-18.26)
MM_DAT_1_S: RA5.7 X1.49 | length 14
  L1 w0.206: X1.49@-20.9,14 v1(-19.1,14) ; v1(-9.7,18.5) -9.153,18.5 RA5.7@-8.8,18.5
  L4 w0.206: v1(-19.1,14) -15.467,14 -10.967,18.5 v1(-9.7,18.5) ; v1@-9.763,18.437 v1@-9.745,18.42
MM_DAT_2: R40.1 RA5.2 X4.1 | length 111.7
  L1 w0.16: R40.1@63.134,-25.25 63.284,-25.1 v1(66.1,-25.1)
  L1 w0.254: RA5.2@-7.5,17.7 7.837,17.7 11.737,13.8 v1(39.25,13.8)
  L4 w0.254: v1(39.25,13.8) 39.775,13.8 40.758,12.817 40.758,0.742 42.7,-1.2 42.7,-8.9 44.8,-11 51,-11 53.5,-13.5 53.5,-14.6 56.651,-17.751 56.651,-25.297 57.251,-25.897 62.303,-25.897 63.1,-25.1 X4.1@64.7,-25.1 v1(66.1,-25.1)
MM_DAT_2_S: RA5.6 X1.51 | length 13.9
  L1 w0.206: X1.51@-20.9,13.4 -20.894,13.406 -18.006,13.406 v1(-18,13.413) ; v1(-10.62,17.74) -8.88,17.74 -8.86,17.76 RA5.6@-8.8,17.7
  L4 w0.206: v1(-18,13.413) -17.987,13.4 -15.133,13.4 -10.793,17.74 v1(-10.62,17.74)
MM_DAT_3: R39.1 RA5.1 X4.2 | length 115.4
  L1 w0.16: R39.1@63.134,-24.05 63.184,-24 v1(65.8,-24)
  L1 w0.254: RA5.1@-7.5,16.9 7.506,16.9 11.506,12.9 v1(39.325,12.9)
  L4 w0.254: v1(39.325,12.9) 39.75,12.9 40.344,12.306 40.344,0.456 41.9,-1.1 41.9,-8.9 44.8,-11.8 51,-11.8 52.9,-13.7 52.9,-14.773 56.051,-17.924 56.051,-25.751 57.1,-26.8 65.159,-26.8 66.637,-25.322 66.637,-24.837 v1(65.8,-24) X4.2@64.3,-24
MM_DAT_3_S: RA5.5 X1.53 | length 14.2
  L1 w0.206: X1.53@-20.9,12.8 -18.99,12.8 v1@-18.9,12.71 ; v1(-9.8,17.1) -9.353,17.1 -9.153,16.9 RA5.5@-8.8,16.9
  L4 w0.206: v1(-19.1,12.8) -14.8,12.8 -10.5,17.1 v1(-9.8,17.1)
NCP.CTS: RA3.5 X11.20 | length 81.8
  L1 w0.254: RA3.5@-7.5,23 9.5,23 13.224,19.276 v1(39.602,19.276)
  L4 w0.254: v1(39.602,19.276) 39.633,19.245 40.805,19.245 44.4,15.65 44.4,6.9 44.89,6.41 49.49,6.41 50.8,5.1 50.8,-2.8 X11.20@48.64,-4.96
NCP.RTS: RA3.6 X11.14 | length 70.3
  L1 w0.254: RA3.6@-7.5,22.2 9.169,22.2 12.744,18.625 v1(39.3,18.625)
  L4 w0.254: v1(39.3,18.625) 40.4,18.625 43.6,15.425 43.6,5 44.636,3.964 47.336,3.964 X11.14@48.64,2.66
NCP.RXD: RA3.7 X11.18 | length 76.1
  L1 w0.254: RA3.7@-7.5,21.4 8.837,21.4 12.437,17.8 v1(39.4,17.8)
  L4 w0.254: v1(39.4,17.8) 40.05,17.8 42.8,15.05 42.8,3.9 45.152,1.548 49.052,1.548 49.9,0.7 49.9,-1.16 X11.18@48.64,-2.42
NCP.TXD: RA3.8 X11.16 | length 73
  L1 w0.254: RA3.8@-7.5,20.6 8.506,20.6 12.181,16.925 v1(39.575,16.925)
  L4 w0.254: v1(39.575,16.925) 39.86,16.925 42,14.785 42,2.1 45.092,-0.992 47.308,-0.992 48.42,0.12 X11.16@48.64,0.12
NCP_GPIO0: RA13.5 X11.13 | length 60.4
  L1 w0.254: RA13.5@-7.5,-13.7 -7.373,-13.573 7.864,-13.573 22.887,1.45 44.89,1.45 X11.13@46.1,2.66
NCP_GPIO1: RA13.6 X11.15 | length 59.8
  L1 w0.254: RA13.6@-7.5,-14.5 -7.373,-14.373 8.196,-14.373 22.859,0.29 45.93,0.29 X11.15@46.1,0.12
NCP_nRST: RA13.7 X11.17 | length 60.4
  L1 w0.254: RA13.7@-7.5,-15.3 -7.373,-15.173 8.527,-15.173 23.1,-0.6 44.28,-0.6 X11.17@46.1,-2.42
NetC27_2: C27.2 U3.1 U3.12 | length 16.6
  L1 w0.254: v1(38.463,-13.9) 38.049,-13.9 37.9,-13.751 37.9,-13.11 C27.2@37.91,-13.1 37.9,-13.09 37.9,-12.8 38.3,-12.4 38.3,-10 39,-9.3 U3.12@39,-8.6 ; U3.1@40,-5.7 40.007,-5.693 40.007,-5.26 40.2,-5.067 v1(40.2,-5)
  L4 w0.254: v1(38.463,-13.9) 38.463,-6.737 v1(40.2,-5)
NetC28_1: C28.1 R41.1 R43.2 | length 6.8
  L1 w0.16: v1(-43.325,-30.375) -43.325,-31.2 -43.3,-31.225 ; -43.3,-31.25 R43.2@-42.3,-31.25 ; R41.1@-39.225,-31.225 v1(-39.225,-30.4)
  L4 w0.16: v1(-43.325,-30.375) -43.313,-30.387 -39.238,-30.387 v1(-39.225,-30.4)
NetC29_1: C29.1 R44.1 R46.2 | length 6.8
  L1 w0.16: R46.2@-35.75,-31.2 v1(-35.75,-30.375) ; R44.1@-32.7,-31.2 -31.675,-31.2 -31.65,-31.175 v1(-31.65,-30.35)
  L4 w0.16: v1(-35.75,-30.375) -35.738,-30.362 -31.663,-30.362 v1(-31.65,-30.35)
NetC44_2: C44.2 U10.10 | length 6.1
  L1 w0.16: C44.2@-39.6,-14.7 -36.1,-14.7 -35.45,-14.05 U10.10@-35.45,-12.35
NetCN4_10: CN4.10 RA6.1 | length 7.8
  L1 w0.206: RA6.1@-34.1,15.2 -33,15.2 -30.2,18 CN4.10@-30.2,20.7
NetCN4_12: CN4.12 RA6.2 | length 6.6
  L1 w0.206: RA6.2@-34.1,16 -33.1,16 -31,18.1 CN4.12@-31,20.7
NetCN4_14: CN4.14 RA6.3 | length 5.3
  L1 w0.16: RA6.3@-34.1,16.8 -33.4,16.8
  L1 w0.206: -33.4,16.8 -31.8,18.4 CN4.14@-31.8,20.7
NetCN4_24: CN4.24 R63.2 | length 2.7
  L1 w0.254: CN4.24@-39,20.7 -39.026,20.674 -39.026,18.649 -38.91,18.533 -38.433,18.533 R63.2@-38.4,18.5